# Altium PCB 4G_V4.2_5X4.PcbDoc (part 3 of 5)
Units mm, origin at the board's own origin, x right, y up, seen from the top; angles counter-clockwise.
Board outline 35.5 x 48 mm, 2 copper layers (Top Layer, Bottom Layer); 800 components, 0 nets, 5412 pads, 900 vias.
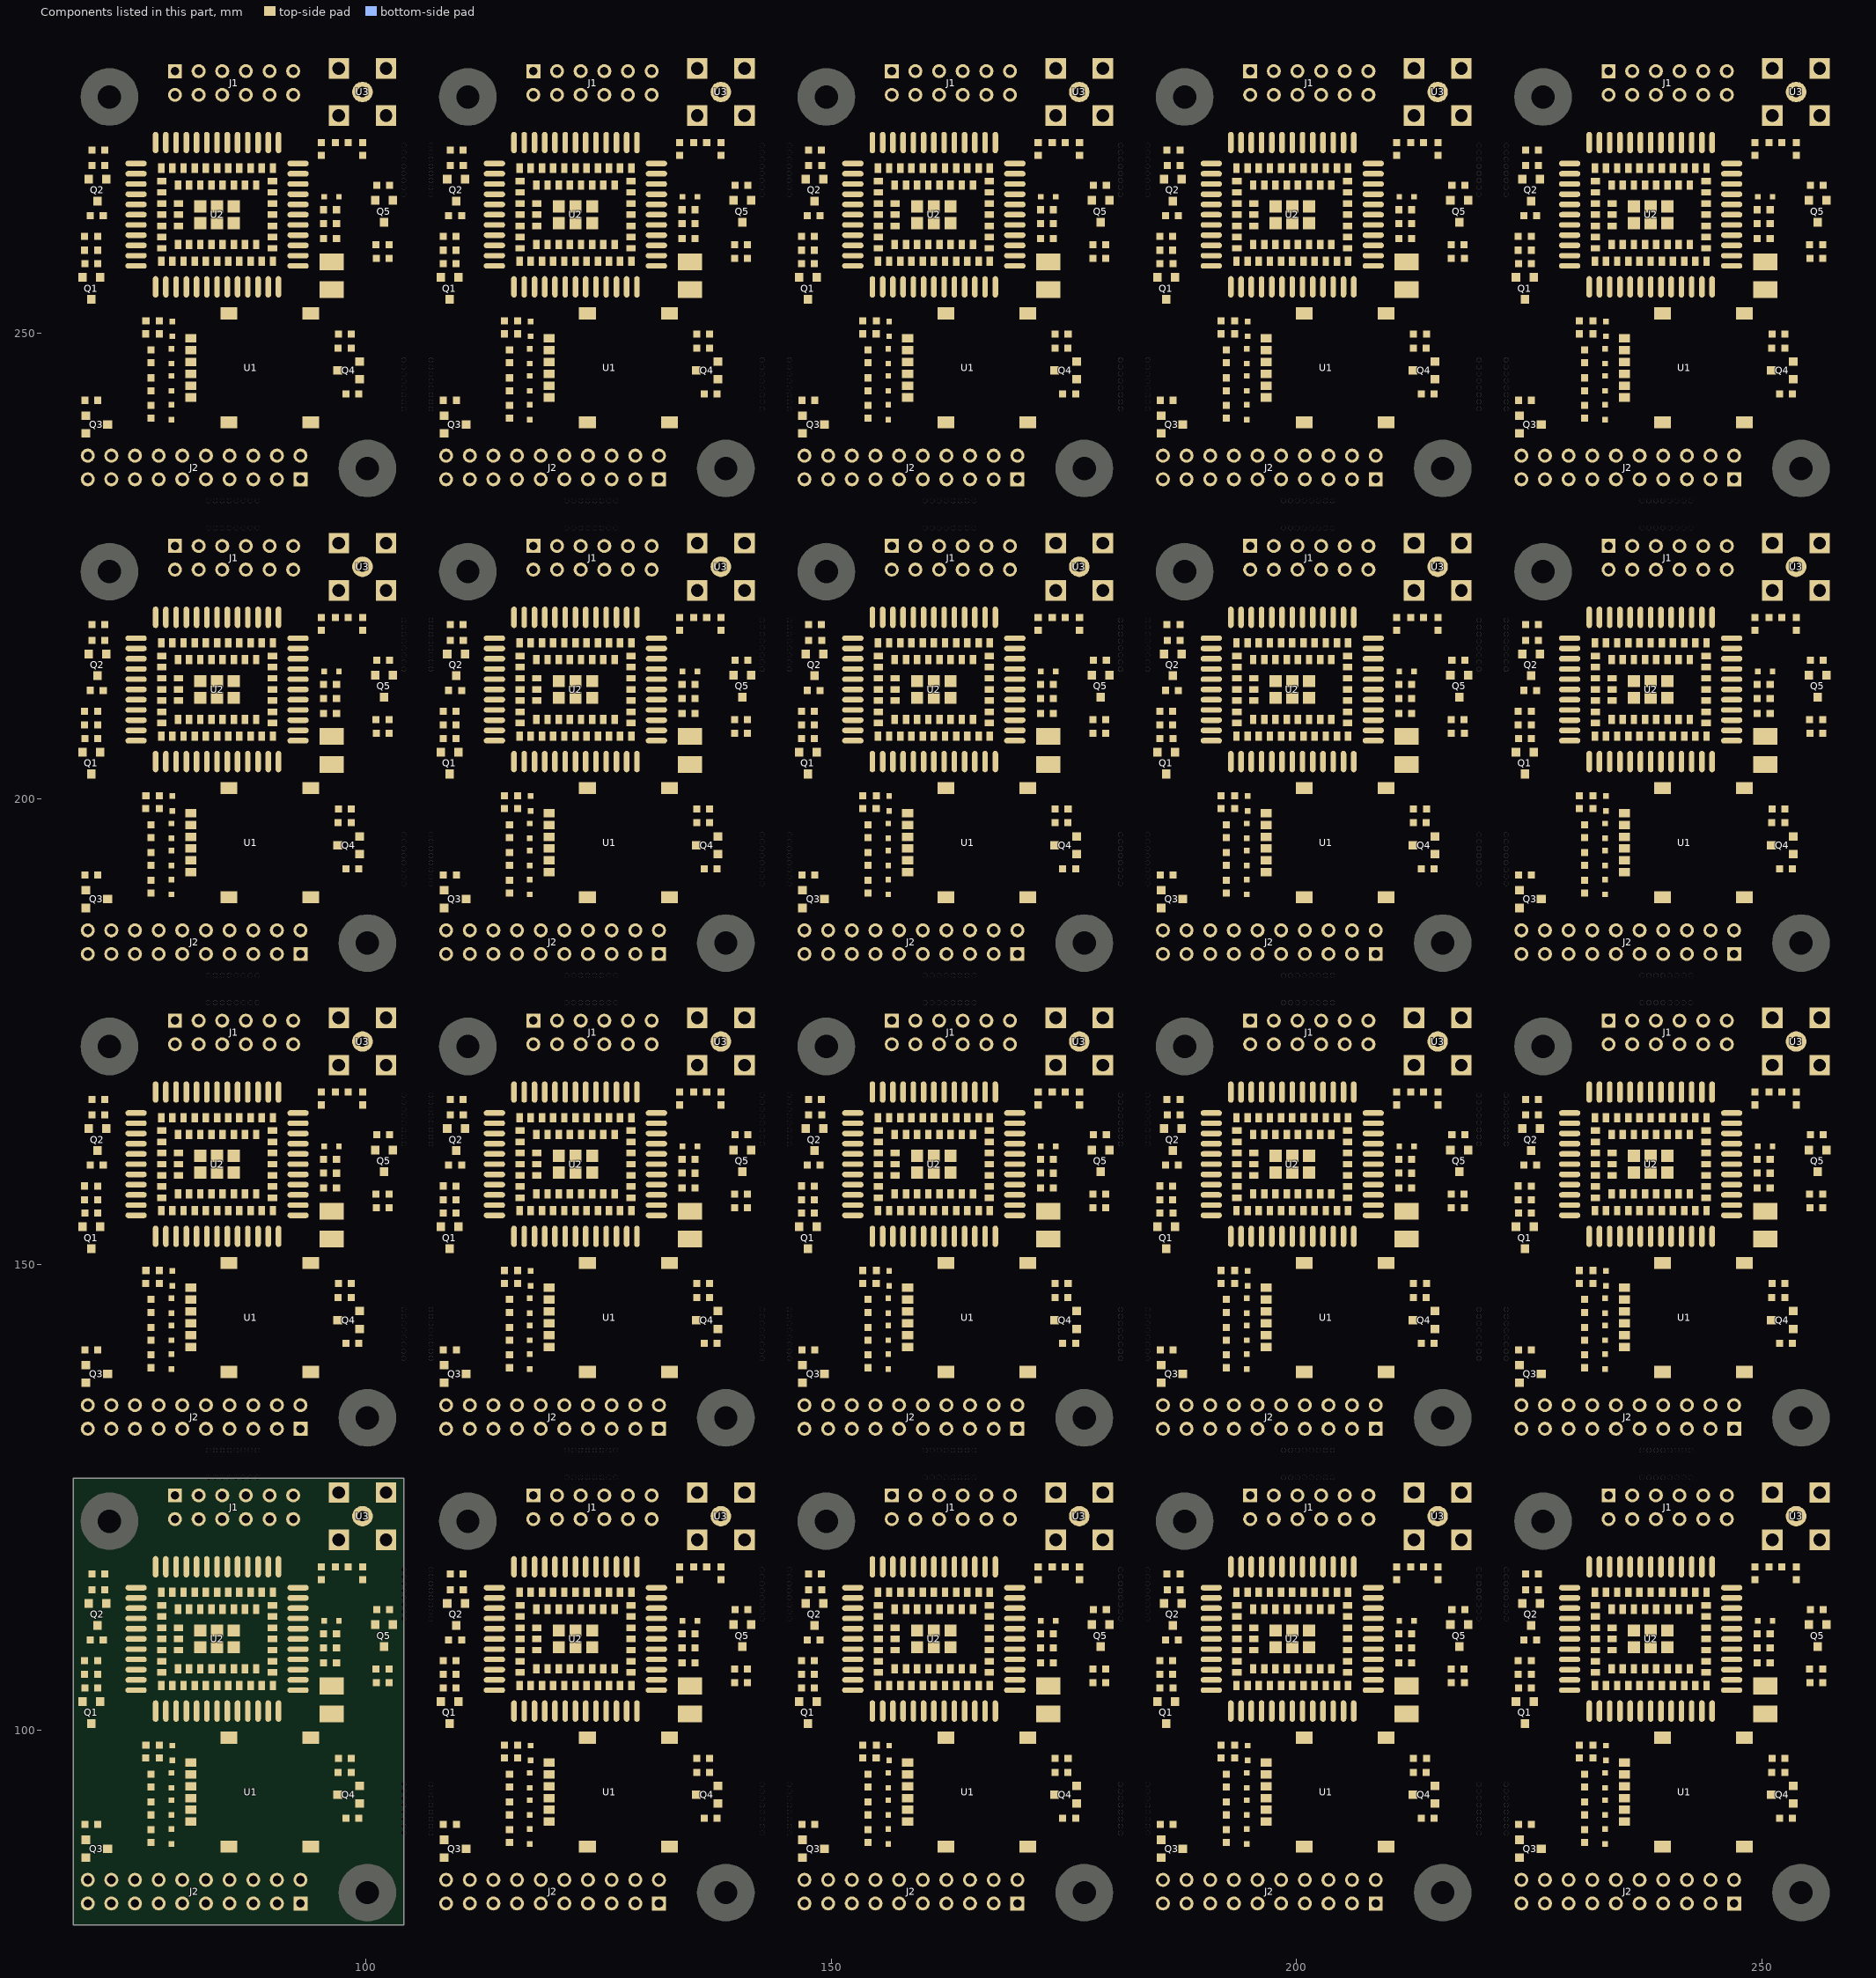
[diagram p3: the components of this part, seen from the top]

## Via types
v1: diameter 0.5, hole 0.3, Top Layer to Bottom Layer, tented both sides, 900 vias

## Nets (pads, with @x,y where several pads share a name; then routed paths per layer and width w, separated by ;. In a path a pad name is that pad's centre, name@x,y a point inside that pad or via, vN(x,y) a via of type N, cw(c..) or ccw(c..) an arc to the next point about the centre after c; other vN are vias at no path point) (continued)
copper on no net: | length 8151
  Top Layer w0.254: 69.55,103.032 69.55,99.725 72.365,96.911 72.365,89.131 77.615,83.88 77.749,83.88 77.749,81.34 ; 69.55,154.032 69.55,150.725 72.365,147.911 72.365,140.131 77.615,134.88 77.749,134.88 77.749,132.34 ; 69.55,205.032 69.55,201.725 72.365,198.911 72.365,191.131 77.615,185.88 77.749,185.88 77.749,183.34 ; 69.55,256.032 69.55,252.725 72.365,249.911 72.365,242.131 77.615,236.88 77.749,236.88 77.749,234.34 ; 69.837,89.826 69.837,88.266 69.92,88.183 ; 69.837,140.826 69.837,139.266 69.92,139.183 ; 69.837,191.826 69.837,190.266 69.92,190.183 ; 69.837,242.826 69.837,241.266 69.92,241.183 ; 70.246,113.58 70.246,109.824 70.409,109.661 v1(70.409,108.696) ; 70.246,164.58 70.246,160.824 70.409,160.661 v1(70.409,159.696) ; 70.246,215.58 70.246,211.824 70.409,211.661 v1(70.409,210.696) ; 70.246,266.58 70.246,262.824 70.409,262.661 v1(70.409,261.696) ; 70.5,100.682 71.564,100.682 72.365,101.483 72.365,106.241 71.186,107.42 72.429,108.663 75.323,108.663 ; 70.5,151.682 71.564,151.682 72.365,152.483 72.365,157.241 71.186,158.42 72.429,159.663 75.323,159.663 ; 70.5,202.682 71.564,202.682 72.365,203.483 72.365,208.241 71.186,209.42 72.429,210.663 75.323,210.663 ; 70.5,253.682 71.564,253.682 72.365,254.483 72.365,259.241 71.186,260.42 72.429,261.663 75.323,261.663 ; 71.186,105.946 71.186,103.296 71.45,103.032 ; 71.186,156.946 71.186,154.296 71.45,154.032 ; 71.186,207.946 71.186,205.296 71.45,205.032 ; 71.186,258.946 71.186,256.296 71.45,256.032 ; 71.196,111.23 72.905,111.23 74.371,109.763 75.323,109.763 ; 71.196,162.23 72.905,162.23 74.371,160.763 75.323,160.763 ; 71.196,213.23 72.905,213.23 74.371,211.763 75.323,211.763 ; 71.196,264.23 72.905,264.23 74.371,262.763 75.323,262.763 ; 71.222,89.824 71.222,85.328 72.669,83.88 72.669,81.34 ; 71.222,140.824 71.222,136.328 72.669,134.88 72.669,132.34 ; 71.222,191.824 71.222,187.328 72.669,185.88 72.669,183.34 ; 71.222,242.824 71.222,238.328 72.669,236.88 72.669,234.34 ; 71.958,116.723 71.958,113.768 72.146,113.58 ; 71.958,167.723 71.958,164.768 72.146,164.58 ; 71.958,218.723 71.958,215.768 72.146,215.58 ; 71.958,269.723 71.958,266.768 72.146,266.58 ; 72.27,87.233 73.311,86.192 v1(74.016,86.192) ; 72.27,138.233 73.311,137.192 v1(74.016,137.192) ; 72.27,189.233 73.311,188.192 v1(74.016,188.192) ; 72.27,240.233 73.311,239.192 v1(74.016,239.192) ; v1(72.873,107.426) 72.873,89.341 76.886,85.328 81.382,85.328 82.829,83.88 82.829,81.34 ; v1(72.873,158.426) 72.873,140.341 76.886,136.328 81.382,136.328 82.829,134.88 82.829,132.34 ; v1(72.873,209.426) 72.873,191.341 76.886,187.328 81.382,187.328 82.829,185.88 82.829,183.34 ; v1(72.873,260.426) 72.873,242.341 76.886,238.328 81.382,238.328 82.829,236.88 82.829,234.34 ; v1(74.625,95.26) 74.625,99.356 75.685,100.416 77.318,100.416 77.423,100.521 77.423,102.013 ; v1(74.625,146.26) 74.625,150.356 75.685,151.416 77.318,151.416 77.423,151.521 77.423,153.013 ; v1(74.625,197.26) 74.625,201.356 75.685,202.416 77.318,202.416 77.423,202.521 77.423,204.013 ; v1(74.625,248.26) 74.625,252.356 75.685,253.416 77.318,253.416 77.423,253.521 77.423,255.013 ; 75.323,107.563 73.949,107.563 73.403,107.016 73.403,89.53 76.106,86.827 v1(81.077,86.827) ; 75.323,158.563 73.949,158.563 73.403,158.016 73.403,140.53 76.106,137.827 v1(81.077,137.827) ; 75.323,209.563 73.949,209.563 73.403,209.016 73.403,191.53 76.106,188.827 v1(81.077,188.827) ; 75.323,260.563 73.949,260.563 73.403,260.016 73.403,242.53 76.106,239.827 v1(81.077,239.827) ; v1(75.921,95.26) 76.914,95.26 ; v1(75.921,146.26) 76.914,146.26 ; v1(75.921,197.26) 76.914,197.26 ; v1(75.921,248.26) 76.914,248.26 ; 76.378,96.961 77.826,96.961 78.084,96.703 79.223,96.703 80.982,96.703 81.204,96.48 81.204,98.51 79.623,100.091 79.623,102.013 ; 76.378,147.961 77.826,147.961 78.084,147.703 79.223,147.703 80.982,147.703 81.204,147.48 81.204,149.51 79.623,151.091 79.623,153.013 ; 76.378,198.961 77.826,198.961 78.084,198.703 79.223,198.703 80.982,198.703 81.204,198.48 81.204,200.51 79.623,202.091 79.623,204.013 ; 76.378,249.961 77.826,249.961 78.084,249.703 79.223,249.703 80.982,249.703 81.204,249.48 81.204,251.51 79.623,253.091 79.623,255.013 ; 76.938,93.85 79.037,93.85 79.121,93.766 ; 76.938,144.85 79.037,144.85 79.121,144.766 ; 76.938,195.85 79.037,195.85 79.121,195.766 ; 76.938,246.85 79.037,246.85 79.121,246.766 ; 76.94,95.366 76.84,95.366 76.84,95.334 76.914,95.26 ; 76.94,146.366 76.84,146.366 76.84,146.334 76.914,146.26 ; 76.94,197.366 76.84,197.366 76.84,197.334 76.914,197.26 ; 76.94,248.366 76.84,248.366 76.84,248.334 76.914,248.26 ; v1(77.191,86.192) 81.61,86.192 82.702,87.284 82.702,99.247 84.023,100.568 84.023,102.013 ; v1(77.191,137.192) 81.61,137.192 82.702,138.284 82.702,150.247 84.023,151.568 84.023,153.013 ; v1(77.191,188.192) 81.61,188.192 82.702,189.284 82.702,201.247 84.023,202.568 84.023,204.013 ; v1(77.191,239.192) 81.61,239.192 82.702,240.284 82.702,252.247 84.023,253.568 84.023,255.013 ; 78.523,102.013 78.523,100.402 78.029,99.908 75.895,99.908 75.286,99.298 75.286,95.125 75.26,95.1 75.26,92.821 75.819,92.262 76.835,92.262 77.018,92.445 79.121,92.445 80.979,92.445 81.204,92.67 ; 78.523,153.013 78.523,151.402 78.029,150.908 75.895,150.908 75.286,150.298 75.286,146.125 75.26,146.1 75.26,143.821 75.819,143.262 76.835,143.262 77.018,143.445 79.121,143.445 80.979,143.445 81.204,143.67 ; 78.523,204.013 78.523,202.402 78.029,201.908 75.895,201.908 75.286,201.298 75.286,197.125 75.26,197.1 75.26,194.821 75.819,194.262 76.835,194.262 77.018,194.445 79.121,194.445 80.979,194.445 81.204,194.67 ; 78.523,255.013 78.523,253.402 78.029,252.908 75.895,252.908 75.286,252.298 75.286,248.125 75.26,248.1 75.26,245.821 75.819,245.262 76.835,245.262 77.018,245.445 79.121,245.445 80.979,245.445 81.204,245.67 ; 79.623,117.513 79.623,119.054 80.035,119.466 v1(88.392,119.466) ; 79.623,168.513 79.623,170.054 80.035,170.466 v1(88.392,170.466) ; 79.623,219.513 79.623,221.054 80.035,221.466 v1(88.392,221.466) ; 79.623,270.513 79.623,272.054 80.035,272.466 v1(88.392,272.466) ; 81.204,95.21 81.049,95.366 79.121,95.366 77.072,95.366 76.94,95.234 76.914,95.26 ; 81.204,146.21 81.049,146.366 79.121,146.366 77.072,146.366 76.94,146.234 76.914,146.26 ; 81.204,197.21 81.049,197.366 79.121,197.366 77.072,197.366 76.94,197.234 76.914,197.26 ; 81.204,248.21 81.049,248.366 79.121,248.366 77.072,248.366 76.94,248.234 76.914,248.26 ; v1(82.728,86.166) 95.428,86.166 97.866,88.605 97.866,90.51 ; v1(82.728,137.166) 95.428,137.166 97.866,139.605 97.866,141.51 ; v1(82.728,188.166) 95.428,188.166 97.866,190.605 97.866,192.51 ; v1(82.728,239.166) 95.428,239.166 97.866,241.605 97.866,243.51 ; v1(94.513,114.843) 94.513,113.751 95.352,112.913 101.168,112.913 ; v1(94.513,165.843) 94.513,164.751 95.352,163.913 101.168,163.913 ; v1(94.513,216.843) 94.513,215.751 95.352,214.913 101.168,214.913 ; v1(94.513,267.843) 94.513,266.751 95.352,265.913 101.168,265.913 ; 96.996,93.024 96.996,95.394 97.041,95.439 ; 96.996,144.024 96.996,146.394 97.041,146.439 ; 96.996,195.024 96.996,197.394 97.041,197.439 ; 96.996,246.024 96.996,248.394 97.041,248.439 ; 99.251,90.508 99.346,90.604 99.346,92.074 ; 99.251,141.508 99.346,141.604 99.346,143.074 ; 99.251,192.508 99.346,192.604 99.346,194.074 ; 99.251,243.508 99.346,243.604 99.346,245.074 ; 108.05,103.032 108.05,99.725 110.865,96.911 110.865,89.131 116.115,83.88 116.249,83.88 116.249,81.34 ; 108.05,154.032 108.05,150.725 110.865,147.911 110.865,140.131 116.115,134.88 116.249,134.88 116.249,132.34 ; 108.05,205.032 108.05,201.725 110.865,198.911 110.865,191.131 116.115,185.88 116.249,185.88 116.249,183.34 ; 108.05,256.032 108.05,252.725 110.865,249.911 110.865,242.131 116.115,236.88 116.249,236.88 116.249,234.34 ; 108.337,89.826 108.337,88.266 108.42,88.183 ; 108.337,140.826 108.337,139.266 108.42,139.183 ; 108.337,191.826 108.337,190.266 108.42,190.183 ; 108.337,242.826 108.337,241.266 108.42,241.183 ; 108.746,113.58 108.746,109.824 108.909,109.661 v1(108.909,108.696) ; 108.746,164.58 108.746,160.824 108.909,160.661 v1(108.909,159.696) ; 108.746,215.58 108.746,211.824 108.909,211.661 v1(108.909,210.696) ; 108.746,266.58 108.746,262.824 108.909,262.661 v1(108.909,261.696) ; 109,100.682 110.064,100.682 110.865,101.483 110.865,106.241 109.686,107.42 110.929,108.663 113.823,108.663 ; 109,151.682 110.064,151.682 110.865,152.483 110.865,157.241 109.686,158.42 110.929,159.663 113.823,159.663 ; 109,202.682 110.064,202.682 110.865,203.483 110.865,208.241 109.686,209.42 110.929,210.663 113.823,210.663 ; 109,253.682 110.064,253.682 110.865,254.483 110.865,259.241 109.686,260.42 110.929,261.663 113.823,261.663 ; 109.686,105.946 109.686,103.296 109.95,103.032 ; 109.686,156.946 109.686,154.296 109.95,154.032 ; 109.686,207.946 109.686,205.296 109.95,205.032 ; 109.686,258.946 109.686,256.296 109.95,256.032 ; 109.696,111.23 111.405,111.23 112.871,109.763 113.823,109.763 ; 109.696,162.23 111.405,162.23 112.871,160.763 113.823,160.763 ; 109.696,213.23 111.405,213.23 112.871,211.763 113.823,211.763 ; 109.696,264.23 111.405,264.23 112.871,262.763 113.823,262.763 ; 109.722,89.824 109.722,85.328 111.169,83.88 111.169,81.34 ; 109.722,140.824 109.722,136.328 111.169,134.88 111.169,132.34 ; 109.722,191.824 109.722,187.328 111.169,185.88 111.169,183.34 ; 109.722,242.824 109.722,238.328 111.169,236.88 111.169,234.34 ; 110.458,116.723 110.458,113.768 110.646,113.58 ; 110.458,167.723 110.458,164.768 110.646,164.58 ; 110.458,218.723 110.458,215.768 110.646,215.58 ; 110.458,269.723 110.458,266.768 110.646,266.58 ; 110.77,87.233 111.811,86.192 v1(112.516,86.192) ; 110.77,138.233 111.811,137.192 v1(112.516,137.192) ; 110.77,189.233 111.811,188.192 v1(112.516,188.192) ; 110.77,240.233 111.811,239.192 v1(112.516,239.192) ; v1(111.373,107.426) 111.373,89.341 115.386,85.328 119.882,85.328 121.329,83.88 121.329,81.34 ; v1(111.373,158.426) 111.373,140.341 115.386,136.328 119.882,136.328 121.329,134.88 121.329,132.34 ; v1(111.373,209.426) 111.373,191.341 115.386,187.328 119.882,187.328 121.329,185.88 121.329,183.34 ; v1(111.373,260.426) 111.373,242.341 115.386,238.328 119.882,238.328 121.329,236.88 121.329,234.34 ; v1(113.125,95.26) 113.125,99.356 114.185,100.416 115.818,100.416 115.923,100.521 115.923,102.013 ; v1(113.125,146.26) 113.125,150.356 114.185,151.416 115.818,151.416 115.923,151.521 115.923,153.013 ; v1(113.125,197.26) 113.125,201.356 114.185,202.416 115.818,202.416 115.923,202.521 115.923,204.013 ; v1(113.125,248.26) 113.125,252.356 114.185,253.416 115.818,253.416 115.923,253.521 115.923,255.013 ; 113.823,107.563 112.449,107.563 111.903,107.016 111.903,89.53 114.606,86.827 v1(119.577,86.827) ; 113.823,158.563 112.449,158.563 111.903,158.016 111.903,140.53 114.606,137.827 v1(119.577,137.827) ; 113.823,209.563 112.449,209.563 111.903,209.016 111.903,191.53 114.606,188.827 v1(119.577,188.827) ; 113.823,260.563 112.449,260.563 111.903,260.016 111.903,242.53 114.606,239.827 v1(119.577,239.827) ; v1(114.421,95.26) 115.414,95.26 ; v1(114.421,146.26) 115.414,146.26 ; v1(114.421,197.26) 115.414,197.26 ; v1(114.421,248.26) 115.414,248.26 ; 114.878,96.961 116.326,96.961 116.584,96.703 117.723,96.703 119.482,96.703 119.704,96.48 119.704,98.51 118.123,100.091 118.123,102.013 ; 114.878,147.961 116.326,147.961 116.584,147.703 117.723,147.703 119.482,147.703 119.704,147.48 119.704,149.51 118.123,151.091 118.123,153.013 ; 114.878,198.961 116.326,198.961 116.584,198.703 117.723,198.703 119.482,198.703 119.704,198.48 119.704,200.51 118.123,202.091 118.123,204.013 ; 114.878,249.961 116.326,249.961 116.584,249.703 117.723,249.703 119.482,249.703 119.704,249.48 119.704,251.51 118.123,253.091 118.123,255.013 ; 115.438,93.85 117.537,93.85 117.621,93.766 ; 115.438,144.85 117.537,144.85 117.621,144.766 ; 115.438,195.85 117.537,195.85 117.621,195.766 ; 115.438,246.85 117.537,246.85 117.621,246.766 ; 115.44,95.366 115.34,95.366 115.34,95.334 115.414,95.26 ; 115.44,146.366 115.34,146.366 115.34,146.334 115.414,146.26 ; 115.44,197.366 115.34,197.366 115.34,197.334 115.414,197.26 ; 115.44,248.366 115.34,248.366 115.34,248.334 115.414,248.26 ; v1(115.691,86.192) 120.11,86.192 121.202,87.284 121.202,99.247 122.523,100.568 122.523,102.013 ; v1(115.691,137.192) 120.11,137.192 121.202,138.284 121.202,150.247 122.523,151.568 122.523,153.013 ; v1(115.691,188.192) 120.11,188.192 121.202,189.284 121.202,201.247 122.523,202.568 122.523,204.013 ; v1(115.691,239.192) 120.11,239.192 121.202,240.284 121.202,252.247 122.523,253.568 122.523,255.013 ; 117.023,102.013 117.023,100.402 116.529,99.908 114.395,99.908 113.786,99.298 113.786,95.125 113.76,95.1 113.76,92.821 114.319,92.262 115.335,92.262 115.518,92.445 117.621,92.445 119.479,92.445 119.704,92.67 ; 117.023,153.013 117.023,151.402 116.529,150.908 114.395,150.908 113.786,150.298 113.786,146.125 113.76,146.1 113.76,143.821 114.319,143.262 115.335,143.262 115.518,143.445 117.621,143.445 119.479,143.445 119.704,143.67 ; 117.023,204.013 117.023,202.402 116.529,201.908 114.395,201.908 113.786,201.298 113.786,197.125 113.76,197.1 113.76,194.821 114.319,194.262 115.335,194.262 115.518,194.445 117.621,194.445 119.479,194.445 119.704,194.67 ; 117.023,255.013 117.023,253.402 116.529,252.908 114.395,252.908 113.786,252.298 113.786,248.125 113.76,248.1 113.76,245.821 114.319,245.262 115.335,245.262 115.518,245.445 117.621,245.445 119.479,245.445 119.704,245.67 ; 118.123,117.513 118.123,119.054 118.535,119.466 v1(126.892,119.466) ; 118.123,168.513 118.123,170.054 118.535,170.466 v1(126.892,170.466) ; 118.123,219.513 118.123,221.054 118.535,221.466 v1(126.892,221.466) ; 118.123,270.513 118.123,272.054 118.535,272.466 v1(126.892,272.466) ; 119.704,95.21 119.549,95.366 117.621,95.366 115.572,95.366 115.44,95.234 115.414,95.26 ; 119.704,146.21 119.549,146.366 117.621,146.366 115.572,146.366 115.44,146.234 115.414,146.26 ; 119.704,197.21 119.549,197.366 117.621,197.366 115.572,197.366 115.44,197.234 115.414,197.26 ; 119.704,248.21 119.549,248.366 117.621,248.366 115.572,248.366 115.44,248.234 115.414,248.26 ; v1(121.228,86.166) 133.928,86.166 136.366,88.605 136.366,90.51 ; v1(121.228,137.166) 133.928,137.166 136.366,139.605 136.366,141.51 ; v1(121.228,188.166) 133.928,188.166 136.366,190.605 136.366,192.51 ; v1(121.228,239.166) 133.928,239.166 136.366,241.605 136.366,243.51 ; v1(133.013,114.843) 133.013,113.751 133.852,112.913 139.668,112.913 ; v1(133.013,165.843) 133.013,164.751 133.852,163.913 139.668,163.913 ; v1(133.013,216.843) 133.013,215.751 133.852,214.913 139.668,214.913 ; v1(133.013,267.843) 133.013,266.751 133.852,265.913 139.668,265.913 ; 135.496,93.024 135.496,95.394 135.541,95.439 ; 135.496,144.024 135.496,146.394 135.541,146.439 ; 135.496,195.024 135.496,197.394 135.541,197.439 ; 135.496,246.024 135.496,248.394 135.541,248.439 ; 137.75,90.508 137.846,90.604 137.846,92.074 ; 137.75,141.508 137.846,141.604 137.846,143.074 ; 137.75,192.508 137.846,192.604 137.846,194.074 ; 137.75,243.508 137.846,243.604 137.846,245.074 ; 146.55,103.032 146.55,99.725 149.365,96.911 149.365,89.131 154.615,83.88 154.749,83.88 154.749,81.34 ; 146.55,154.032 146.55,150.725 149.365,147.911 149.365,140.131 154.615,134.88 154.749,134.88 154.749,132.34 ; 146.55,205.032 146.55,201.725 149.365,198.911 149.365,191.131 154.615,185.88 154.749,185.88 154.749,183.34 ; 146.55,256.032 146.55,252.725 149.365,249.911 149.365,242.131 154.615,236.88 154.749,236.88 154.749,234.34 ; 146.837,89.826 146.837,88.266 146.92,88.183 ; 146.837,140.826 146.837,139.266 146.92,139.183 ; 146.837,191.826 146.837,190.266 146.92,190.183 ; 146.837,242.826 146.837,241.266 146.92,241.183 ; 147.246,113.58 147.246,109.824 147.409,109.661 v1(147.409,108.696) ; 147.246,164.58 147.246,160.824 147.409,160.661 v1(147.409,159.696) ; 147.246,215.58 147.246,211.824 147.409,211.661 v1(147.409,210.696) ; 147.246,266.58 147.246,262.824 147.409,262.661 v1(147.409,261.696) ; 147.5,100.682 148.564,100.682 149.365,101.483 149.365,106.241 148.186,107.42 149.429,108.663 152.323,108.663 ; 147.5,151.682 148.564,151.682 149.365,152.483 149.365,157.241 148.186,158.42 149.429,159.663 152.323,159.663 ; 147.5,202.682 148.564,202.682 149.365,203.483 149.365,208.241 148.186,209.42 149.429,210.663 152.323,210.663 ; 147.5,253.682 148.564,253.682 149.365,254.483 149.365,259.241 148.186,260.42 149.429,261.663 152.323,261.663 ; 148.186,105.946 148.186,103.296 148.45,103.032 ; 148.186,156.946 148.186,154.296 148.45,154.032 ; 148.186,207.946 148.186,205.296 148.45,205.032 ; 148.186,258.946 148.186,256.296 148.45,256.032 ; 148.196,111.23 149.905,111.23 151.371,109.763 152.323,109.763 ; 148.196,162.23 149.905,162.23 151.371,160.763 152.323,160.763 ; 148.196,213.23 149.905,213.23 151.371,211.763 152.323,211.763 ; 148.196,264.23 149.905,264.23 151.371,262.763 152.323,262.763 ; 148.222,89.824 148.222,85.328 149.669,83.88 149.669,81.34 ; 148.222,140.824 148.222,136.328 149.669,134.88 149.669,132.34 ; 148.222,191.824 148.222,187.328 149.669,185.88 149.669,183.34 ; 148.222,242.824 148.222,238.328 149.669,236.88 149.669,234.34 ; 148.958,116.723 148.958,113.768 149.146,113.58 ; 148.958,167.723 148.958,164.768 149.146,164.58 ; 148.958,218.723 148.958,215.768 149.146,215.58 ; 148.958,269.723 148.958,266.768 149.146,266.58 ; 149.27,87.233 150.311,86.192 v1(151.016,86.192) ; 149.27,138.233 150.311,137.192 v1(151.016,137.192) ; 149.27,189.233 150.311,188.192 v1(151.016,188.192) ; 149.27,240.233 150.311,239.192 v1(151.016,239.192) ; v1(149.873,107.426) 149.873,89.341 153.886,85.328 158.382,85.328 159.829,83.88 159.829,81.34 ; v1(149.873,158.426) 149.873,140.341 153.886,136.328 158.382,136.328 159.829,134.88 159.829,132.34 ; v1(149.873,209.426) 149.873,191.341 153.886,187.328 158.382,187.328 159.829,185.88 159.829,183.34 ; v1(149.873,260.426) 149.873,242.341 153.886,238.328 158.382,238.328 159.829,236.88 159.829,234.34 ; v1(151.625,95.26) 151.625,99.356 152.685,100.416 154.318,100.416 154.423,100.521 154.423,102.013 ; v1(151.625,146.26) 151.625,150.356 152.685,151.416 154.318,151.416 154.423,151.521 154.423,153.013 ; v1(151.625,197.26) 151.625,201.356 152.685,202.416 154.318,202.416 154.423,202.521 154.423,204.013 ; v1(151.625,248.26) 151.625,252.356 152.685,253.416 154.318,253.416 154.423,253.521 154.423,255.013 ; 152.323,107.563 150.949,107.563 150.403,107.016 150.403,89.53 153.106,86.827 v1(158.077,86.827) ; 152.323,158.563 150.949,158.563 150.403,158.016 150.403,140.53 153.106,137.827 v1(158.077,137.827) ; 152.323,209.563 150.949,209.563 150.403,209.016 150.403,191.53 153.106,188.827 v1(158.077,188.827) ; 152.323,260.563 150.949,260.563 150.403,260.016 150.403,242.53 153.106,239.827 v1(158.077,239.827) ; v1(152.921,95.26) 153.914,95.26 ; v1(152.921,146.26) 153.914,146.26 ; v1(152.921,197.26) 153.914,197.26 ; v1(152.921,248.26) 153.914,248.26 ; 153.378,96.961 154.826,96.961 155.084,96.703 156.223,96.703 157.982,96.703 158.204,96.48 158.204,98.51 156.623,100.091 156.623,102.013 ; 153.378,147.961 154.826,147.961 155.084,147.703 156.223,147.703 157.982,147.703 158.204,147.48 158.204,149.51 156.623,151.091 156.623,153.013 ; 153.378,198.961 154.826,198.961 155.084,198.703 156.223,198.703 157.982,198.703 158.204,198.48 158.204,200.51 156.623,202.091 156.623,204.013 ; 153.378,249.961 154.826,249.961 155.084,249.703 156.223,249.703 157.982,249.703 158.204,249.48 158.204,251.51 156.623,253.091 156.623,255.013 ; 153.938,93.85 156.037,93.85 156.121,93.766 ; 153.938,144.85 156.037,144.85 156.121,144.766 ; 153.938,195.85 156.037,195.85 156.121,195.766 ; 153.938,246.85 156.037,246.85 156.121,246.766 ; 153.94,95.366 153.84,95.366 153.84,95.334 153.914,95.26 ; 153.94,146.366 153.84,146.366 153.84,146.334 153.914,146.26 ; 153.94,197.366 153.84,197.366 153.84,197.334 153.914,197.26 ; 153.94,248.366 153.84,248.366 153.84,248.334 153.914,248.26 ; v1(154.191,86.192) 158.61,86.192 159.702,87.284 159.702,99.247 161.023,100.568 161.023,102.013 ; v1(154.191,137.192) 158.61,137.192 159.702,138.284 159.702,150.247 161.023,151.568 161.023,153.013 ; v1(154.191,188.192) 158.61,188.192 159.702,189.284 159.702,201.247 161.023,202.568 161.023,204.013 ; v1(154.191,239.192) 158.61,239.192 159.702,240.284 159.702,252.247 161.023,253.568 161.023,255.013 ; 155.523,102.013 155.523,100.402 155.029,99.908 152.895,99.908 152.286,99.298 152.286,95.125 152.26,95.1 152.26,92.821 152.819,92.262 153.835,92.262 154.018,92.445 156.121,92.445 157.979,92.445 158.204,92.67 ; 155.523,153.013 155.523,151.402 155.029,150.908 152.895,150.908 152.286,150.298 152.286,146.125 152.26,146.1 152.26,143.821 152.819,143.262 153.835,143.262 154.018,143.445 156.121,143.445 157.979,143.445 158.204,143.67 ; 155.523,204.013 155.523,202.402 155.029,201.908 152.895,201.908 152.286,201.298 152.286,197.125 152.26,197.1 152.26,194.821 152.819,194.262 153.835,194.262 154.018,194.445 156.121,194.445 157.979,194.445 158.204,194.67 ; 155.523,255.013 155.523,253.402 155.029,252.908 152.895,252.908 152.286,252.298 152.286,248.125 152.26,248.1 152.26,245.821 152.819,245.262 153.835,245.262 154.018,245.445 156.121,245.445 157.979,245.445 158.204,245.67 ; 156.623,117.513 156.623,119.054 157.035,119.466 v1(165.392,119.466) ; 156.623,168.513 156.623,170.054 157.035,170.466 v1(165.392,170.466) ; 156.623,219.513 156.623,221.054 157.035,221.466 v1(165.392,221.466) ; 156.623,270.513 156.623,272.054 157.035,272.466 v1(165.392,272.466) ; 158.204,95.21 158.049,95.366 156.121,95.366 154.072,95.366 153.94,95.234 153.914,95.26 ; 158.204,146.21 158.049,146.366 156.121,146.366 154.072,146.366 153.94,146.234 153.914,146.26 ; 158.204,197.21 158.049,197.366 156.121,197.366 154.072,197.366 153.94,197.234 153.914,197.26 ; 158.204,248.21 158.049,248.366 156.121,248.366 154.072,248.366 153.94,248.234 153.914,248.26 ; v1(159.728,86.166) 172.428,86.166 174.866,88.605 174.866,90.51 ; v1(159.728,137.166) 172.428,137.166 174.866,139.605 174.866,141.51 ; v1(159.728,188.166) 172.428,188.166 174.866,190.605 174.866,192.51 ; v1(159.728,239.166) 172.428,239.166 174.866,241.605 174.866,243.51 ; v1(171.513,114.843) 171.513,113.751 172.352,112.913 178.168,112.913 ; v1(171.513,165.843) 171.513,164.751 172.352,163.913 178.168,163.913 ; v1(171.513,216.843) 171.513,215.751 172.352,214.913 178.168,214.913 ; v1(171.513,267.843) 171.513,266.751 172.352,265.913 178.168,265.913 ; 173.996,93.024 173.996,95.394 174.041,95.439 ; 173.996,144.024 173.996,146.394 174.041,146.439 ; 173.996,195.024 173.996,197.394 174.041,197.439 ; 173.996,246.024 173.996,248.394 174.041,248.439 ; 176.25,90.508 176.346,90.604 176.346,92.074 ; 176.25,141.508 176.346,141.604 176.346,143.074 ; 176.25,192.508 176.346,192.604 176.346,194.074 ; 176.25,243.508 176.346,243.604 176.346,245.074 ; 185.05,103.032 185.05,99.725 187.865,96.911 187.865,89.131 193.115,83.88 193.249,83.88 193.249,81.34 ; 185.05,154.032 185.05,150.725 187.865,147.911 187.865,140.131 193.115,134.88 193.249,134.88 193.249,132.34 ; 185.05,205.032 185.05,201.725 187.865,198.911 187.865,191.131 193.115,185.88 193.249,185.88 193.249,183.34 ; 185.05,256.032 185.05,252.725 187.865,249.911 187.865,242.131 193.115,236.88 193.249,236.88 193.249,234.34 ; 185.337,89.826 185.337,88.266 185.42,88.183 ; 185.337,140.826 185.337,139.266 185.42,139.183 ; 185.337,191.826 185.337,190.266 185.42,190.183 ; 185.337,242.826 185.337,241.266 185.42,241.183 ; 185.746,113.58 185.746,109.824 185.909,109.661 v1(185.909,108.696) ; 185.746,164.58 185.746,160.824 185.909,160.661 v1(185.909,159.696) ; 185.746,215.58 185.746,211.824 185.909,211.661 v1(185.909,210.696) ; 185.746,266.58 185.746,262.824 185.909,262.661 v1(185.909,261.696) ; 186,100.682 187.064,100.682 187.865,101.483 187.865,106.241 186.686,107.42 187.929,108.663 190.823,108.663 ; 186,151.682 187.064,151.682 187.865,152.483 187.865,157.241 186.686,158.42 187.929,159.663 190.823,159.663 ; 186,202.682 187.064,202.682 187.865,203.483 187.865,208.241 186.686,209.42 187.929,210.663 190.823,210.663 ; 186,253.682 187.064,253.682 187.865,254.483 187.865,259.241 186.686,260.42 187.929,261.663 190.823,261.663 ; 186.686,105.946 186.686,103.296 186.95,103.032 ; 186.686,156.946 186.686,154.296 186.95,154.032 ; 186.686,207.946 186.686,205.296 186.95,205.032 ; 186.686,258.946 186.686,256.296 186.95,256.032 ; 186.696,111.23 188.405,111.23 189.871,109.763 190.823,109.763 ; 186.696,162.23 188.405,162.23 189.871,160.763 190.823,160.763 ; 186.696,213.23 188.405,213.23 189.871,211.763 190.823,211.763 ; 186.696,264.23 188.405,264.23 189.871,262.763 190.823,262.763 ; 186.722,89.824 186.722,85.328 188.169,83.88 188.169,81.34 ; 186.722,140.824 186.722,136.328 188.169,134.88 188.169,132.34 ; 186.722,191.824 186.722,187.328 188.169,185.88 188.169,183.34 ; 186.722,242.824 186.722,238.328 188.169,236.88 188.169,234.34 ; 187.458,116.723 187.458,113.768 187.646,113.58 ; 187.458,167.723 187.458,164.768 187.646,164.58 ; 187.458,218.723 187.458,215.768 187.646,215.58 ; 187.458,269.723 187.458,266.768 187.646,266.58 ; 187.77,87.233 188.811,86.192 v1(189.516,86.192) ; 187.77,138.233 188.811,137.192 v1(189.516,137.192) ; 187.77,189.233 188.811,188.192 v1(189.516,188.192) ; 187.77,240.233 188.811,239.192 v1(189.516,239.192) ; v1(188.373,107.426) 188.373,89.341 192.386,85.328 196.882,85.328 198.329,83.88 198.329,81.34 ; v1(188.373,158.426) 188.373,140.341 192.386,136.328 196.882,136.328 198.329,134.88 198.329,132.34 ; v1(188.373,209.426) 188.373,191.341 192.386,187.328 196.882,187.328 198.329,185.88 198.329,183.34 ; v1(188.373,260.426) 188.373,242.341 192.386,238.328 196.882,238.328 198.329,236.88 198.329,234.34 ; v1(190.125,95.26) 190.125,99.356 191.185,100.416 192.818,100.416 192.923,100.521 192.923,102.013 ; v1(190.125,146.26) 190.125,150.356 191.185,151.416 192.818,151.416 192.923,151.521 192.923,153.013 ; v1(190.125,197.26) 190.125,201.356 191.185,202.416 192.818,202.416 192.923,202.521 192.923,204.013 ; v1(190.125,248.26) 190.125,252.356 191.185,253.416 192.818,253.416 192.923,253.521 192.923,255.013 ; 190.823,107.563 189.449,107.563 188.903,107.016 188.903,89.53 191.606,86.827 v1(196.577,86.827) ; 190.823,158.563 189.449,158.563 188.903,158.016 188.903,140.53 191.606,137.827 v1(196.577,137.827) ; 190.823,209.563 189.449,209.563 188.903,209.016 188.903,191.53 191.606,188.827 v1(196.577,188.827) ; 190.823,260.563 189.449,260.563 188.903,260.016 188.903,242.53 191.606,239.827 v1(196.577,239.827) ; v1(191.421,95.26) 192.414,95.26 ; v1(191.421,146.26) 192.414,146.26 ; v1(191.421,197.26) 192.414,197.26 ; v1(191.421,248.26) 192.414,248.26 ; 191.878,96.961 193.326,96.961 193.584,96.703 194.723,96.703 196.482,96.703 196.704,96.48 196.704,98.51 195.123,100.091 195.123,102.013 ; 191.878,147.961 193.326,147.961 193.584,147.703 194.723,147.703 196.482,147.703 196.704,147.48 196.704,149.51 195.123,151.091 195.123,153.013 ; 191.878,198.961 193.326,198.961 193.584,198.703 194.723,198.703 196.482,198.703 196.704,198.48 196.704,200.51 195.123,202.091 195.123,204.013 ; 191.878,249.961 193.326,249.961 193.584,249.703 194.723,249.703 196.482,249.703 196.704,249.48 196.704,251.51 195.123,253.091 195.123,255.013 ; 192.438,93.85 194.537,93.85 194.621,93.766 ; 192.438,144.85 194.537,144.85 194.621,144.766 ; 192.438,195.85 194.537,195.85 194.621,195.766 ; 192.438,246.85 194.537,246.85 194.621,246.766 ; 192.44,95.366 192.34,95.366 192.34,95.334 192.414,95.26 ; 192.44,146.366 192.34,146.366 192.34,146.334 192.414,146.26 ; 192.44,197.366 192.34,197.366 192.34,197.334 192.414,197.26 ; 192.44,248.366 192.34,248.366 192.34,248.334 192.414,248.26 ; v1(192.691,86.192) 197.11,86.192 198.202,87.284 198.202,99.247 199.523,100.568 199.523,102.013 ; v1(192.691,137.192) 197.11,137.192 198.202,138.284 198.202,150.247 199.523,151.568 199.523,153.013 ; v1(192.691,188.192) 197.11,188.192 198.202,189.284 198.202,201.247 199.523,202.568 199.523,204.013 ; v1(192.691,239.192) 197.11,239.192 198.202,240.284 198.202,252.247 199.523,253.568 199.523,255.013 ; 194.023,102.013 194.023,100.402 193.529,99.908 191.395,99.908 190.786,99.298 190.786,95.125 190.76,95.1 190.76,92.821 191.319,92.262 192.335,92.262 192.518,92.445 194.621,92.445 196.479,92.445 196.704,92.67 ; 194.023,153.013 194.023,151.402 193.529,150.908 191.395,150.908 190.786,150.298 190.786,146.125 190.76,146.1 190.76,143.821 191.319,143.262 192.335,143.262 192.518,143.445 194.621,143.445 196.479,143.445 196.704,143.67 ; 194.023,204.013 194.023,202.402 193.529,201.908 191.395,201.908 190.786,201.298 190.786,197.125 190.76,197.1 190.76,194.821 191.319,194.262 192.335,194.262 192.518,194.445 194.621,194.445 196.479,194.445 196.704,194.67 ; 194.023,255.013 194.023,253.402 193.529,252.908 191.395,252.908 190.786,252.298 190.786,248.125 190.76,248.1 190.76,245.821 191.319,245.262 192.335,245.262 192.518,245.445 194.621,245.445 196.479,245.445 196.704,245.67 ; 195.123,117.513 195.123,119.054 195.535,119.466 v1(203.892,119.466) ; 195.123,168.513 195.123,170.054 195.535,170.466 v1(203.892,170.466) ; 195.123,219.513 195.123,221.054 195.535,221.466 v1(203.892,221.466) ; 195.123,270.513 195.123,272.054 195.535,272.466 v1(203.892,272.466) ; 196.704,95.21 196.549,95.366 194.621,95.366 192.572,95.366 192.44,95.234 192.414,95.26 ; 196.704,146.21 196.549,146.366 194.621,146.366 192.572,146.366 192.44,146.234 192.414,146.26 ; 196.704,197.21 196.549,197.366 194.621,197.366 192.572,197.366 192.44,197.234 192.414,197.26 ; 196.704,248.21 196.549,248.366 194.621,248.366 192.572,248.366 192.44,248.234 192.414,248.26 ; v1(198.228,86.166) 210.928,86.166 213.366,88.605 213.366,90.51 ; v1(198.228,137.166) 210.928,137.166 213.366,139.605 213.366,141.51 ; v1(198.228,188.166) 210.928,188.166 213.366,190.605 213.366,192.51 ; v1(198.228,239.166) 210.928,239.166 213.366,241.605 213.366,243.51 ; v1(210.013,114.843) 210.013,113.751 210.852,112.913 216.668,112.913 ; v1(210.013,165.843) 210.013,164.751 210.852,163.913 216.668,163.913 ; v1(210.013,216.843) 210.013,215.751 210.852,214.913 216.668,214.913 ; v1(210.013,267.843) 210.013,266.751 210.852,265.913 216.668,265.913 ; 212.496,93.024 212.496,95.394 212.541,95.439 ; 212.496,144.024 212.496,146.394 212.541,146.439 ; 212.496,195.024 212.496,197.394 212.541,197.439 ; 212.496,246.024 212.496,248.394 212.541,248.439 ; 214.75,90.508 214.846,90.604 214.846,92.074 ; 214.75,141.508 214.846,141.604 214.846,143.074 ; 214.75,192.508 214.846,192.604 214.846,194.074 ; 214.75,243.508 214.846,243.604 214.846,245.074 ; 223.55,103.032 223.55,99.725 226.365,96.911 226.365,89.131 231.615,83.88 231.749,83.88 231.749,81.34 ; 223.55,154.032 223.55,150.725 226.365,147.911 226.365,140.131 231.615,134.88 231.749,134.88 231.749,132.34 ; 223.55,205.032 223.55,201.725 226.365,198.911 226.365,191.131 231.615,185.88 231.749,185.88 231.749,183.34 ; 223.55,256.032 223.55,252.725 226.365,249.911 226.365,242.131 231.615,236.88 231.749,236.88 231.749,234.34 ; 223.837,89.826 223.837,88.266 223.92,88.183 ; 223.837,140.826 223.837,139.266 223.92,139.183 ; 223.837,191.826 223.837,190.266 223.92,190.183 ; 223.837,242.826 223.837,241.266 223.92,241.183 ; 224.246,113.58 224.246,109.824 224.409,109.661 v1(224.409,108.696) ; 224.246,164.58 224.246,160.824 224.409,160.661 v1(224.409,159.696) ; 224.246,215.58 224.246,211.824 224.409,211.661 v1(224.409,210.696) ; 224.246,266.58 224.246,262.824 224.409,262.661 v1(224.409,261.696) ; 224.5,100.682 225.564,100.682 226.365,101.483 226.365,106.241 225.186,107.42 226.429,108.663 229.323,108.663 ; 224.5,151.682 225.564,151.682 226.365,152.483 226.365,157.241 225.186,158.42 226.429,159.663 229.323,159.663 ; 224.5,202.682 225.564,202.682 226.365,203.483 226.365,208.241 225.186,209.42 226.429,210.663 229.323,210.663 ; 224.5,253.682 225.564,253.682 226.365,254.483 226.365,259.241 225.186,260.42 226.429,261.663 229.323,261.663 ; 225.186,105.946 225.186,103.296 225.45,103.032 ; 225.186,156.946 225.186,154.296 225.45,154.032 ; 225.186,207.946 225.186,205.296 225.45,205.032 ; 225.186,258.946 225.186,256.296 225.45,256.032 ; 225.196,111.23 226.905,111.23 228.371,109.763 229.323,109.763 ; 225.196,162.23 226.905,162.23 228.371,160.763 229.323,160.763 ; 225.196,213.23 226.905,213.23 228.371,211.763 229.323,211.763 ; 225.196,264.23 226.905,264.23 228.371,262.763 229.323,262.763 ; 225.222,89.824 225.222,85.328 226.669,83.88 226.669,81.34 ; 225.222,140.824 225.222,136.328 226.669,134.88 226.669,132.34 ; 225.222,191.824 225.222,187.328 226.669,185.88 226.669,183.34 ; 225.222,242.824 225.222,238.328 226.669,236.88 226.669,234.34 ; 225.958,116.723 225.958,113.768 226.146,113.58 ; 225.958,167.723 225.958,164.768 226.146,164.58 ; 225.958,218.723 225.958,215.768 226.146,215.58 ; 225.958,269.723 225.958,266.768 226.146,266.58 ; 226.27,87.233 227.311,86.192 v1(228.016,86.192) ; 226.27,138.233 227.311,137.192 v1(228.016,137.192) ; 226.27,189.233 227.311,188.192 v1(228.016,188.192) ; 226.27,240.233 227.311,239.192 v1(228.016,239.192) ; v1(226.873,107.426) 226.873,89.341 230.886,85.328 235.382,85.328 236.829,83.88 236.829,81.34 ; v1(226.873,158.426) 226.873,140.341 230.886,136.328 235.382,136.328 236.829,134.88 236.829,132.34 ; v1(226.873,209.426) 226.873,191.341 230.886,187.328 235.382,187.328 236.829,185.88 236.829,183.34 ; v1(226.873,260.426) 226.873,242.341 230.886,238.328 235.382,238.328 236.829,236.88 236.829,234.34 ; v1(228.625,95.26) 228.625,99.356 229.685,100.416 231.318,100.416 231.423,100.521 231.423,102.013 ; v1(228.625,146.26) 228.625,150.356 229.685,151.416 231.318,151.416 231.423,151.521 231.423,153.013 ; v1(228.625,197.26) 228.625,201.356 229.685,202.416 231.318,202.416 231.423,202.521 231.423,204.013 ; v1(228.625,248.26) 228.625,252.356 229.685,253.416 231.318,253.416 231.423,253.521 231.423,255.013 ; 229.323,107.563 227.949,107.563 227.403,107.016 227.403,89.53 230.106,86.827 v1(235.077,86.827) ; 229.323,158.563 227.949,158.563 227.403,158.016 227.403,140.53 230.106,137.827 v1(235.077,137.827) ; 229.323,209.563 227.949,209.563 227.403,209.016 227.403,191.53 230.106,188.827 v1(235.077,188.827) ; 229.323,260.563 227.949,260.563 227.403,260.016 227.403,242.53 230.106,239.827 v1(235.077,239.827) ; v1(229.921,95.26) 230.914,95.26 ; v1(229.921,146.26) 230.914,146.26 ; v1(229.921,197.26) 230.914,197.26 ; v1(229.921,248.26) 230.914,248.26 ; 230.378,96.961 231.826,96.961 232.084,96.703 233.223,96.703 234.982,96.703 235.204,96.48 235.204,98.51 233.623,100.091 233.623,102.013 ; 230.378,147.961 231.826,147.961 232.084,147.703 233.223,147.703 234.982,147.703 235.204,147.48 235.204,149.51 233.623,151.091 233.623,153.013 ; 230.378,198.961 231.826,198.961 232.084,198.703 233.223,198.703 234.982,198.703 235.204,198.48 235.204,200.51 233.623,202.091 233.623,204.013 ; 230.378,249.961 231.826,249.961 232.084,249.703 233.223,249.703 234.982,249.703 235.204,249.48 235.204,251.51 233.623,253.091 233.623,255.013 ; 230.938,93.85 233.037,93.85 233.121,93.766 ; 230.938,144.85 233.037,144.85 233.121,144.766 ; 230.938,195.85 233.037,195.85 233.121,195.766 ; 230.938,246.85 233.037,246.85 233.121,246.766 ; 230.94,95.366 230.84,95.366 230.84,95.334 230.914,95.26 ; 230.94,146.366 230.84,146.366 230.84,146.334 230.914,146.26 ; 230.94,197.366 230.84,197.366 230.84,197.334 230.914,197.26 ; 230.94,248.366 230.84,248.366 230.84,248.334 230.914,248.26 ; v1(231.191,86.192) 235.61,86.192 236.702,87.284 236.702,99.247 238.023,100.568 238.023,102.013 ; v1(231.191,137.192) 235.61,137.192 236.702,138.284 236.702,150.247 238.023,151.568 238.023,153.013 ; v1(231.191,188.192) 235.61,188.192 236.702,189.284 236.702,201.247 238.023,202.568 238.023,204.013 ; v1(231.191,239.192) 235.61,239.192 236.702,240.284 236.702,252.247 238.023,253.568 238.023,255.013 ; 232.523,102.013 232.523,100.402 232.029,99.908 229.895,99.908 229.286,99.298 229.286,95.125 229.26,95.1 229.26,92.821 229.819,92.262 230.835,92.262 231.018,92.445 233.121,92.445 234.979,92.445 235.204,92.67 ; 232.523,153.013 232.523,151.402 232.029,150.908 229.895,150.908 229.286,150.298 229.286,146.125 229.26,146.1 229.26,143.821 229.819,143.262 230.835,143.262 231.018,143.445 233.121,143.445 234.979,143.445 235.204,143.67 ; 232.523,204.013 232.523,202.402 232.029,201.908 229.895,201.908 229.286,201.298 229.286,197.125 229.26,197.1 229.26,194.821 229.819,194.262 230.835,194.262 231.018,194.445 233.121,194.445 234.979,194.445 235.204,194.67 ; 232.523,255.013 232.523,253.402 232.029,252.908 229.895,252.908 229.286,252.298 229.286,248.125 229.26,248.1 229.26,245.821 229.819,245.262 230.835,245.262 231.018,245.445 233.121,245.445 234.979,245.445 235.204,245.67 ; 233.623,117.513 233.623,119.054 234.035,119.466 v1(242.392,119.466) ; 233.623,168.513 233.623,170.054 234.035,170.466 v1(242.392,170.466) ; 233.623,219.513 233.623,221.054 234.035,221.466 v1(242.392,221.466) ; 233.623,270.513 233.623,272.054 234.035,272.466 v1(242.392,272.466) ; 235.204,95.21 235.049,95.366 233.121,95.366 231.072,95.366 230.94,95.234 230.914,95.26 ; 235.204,146.21 235.049,146.366 233.121,146.366 231.072,146.366 230.94,146.234 230.914,146.26 ; 235.204,197.21 235.049,197.366 233.121,197.366 231.072,197.366 230.94,197.234 230.914,197.26 ; 235.204,248.21 235.049,248.366 233.121,248.366 231.072,248.366 230.94,248.234 230.914,248.26 ; v1(236.728,86.166) 249.428,86.166 251.866,88.605 251.866,90.51 ; v1(236.728,137.166) 249.428,137.166 251.866,139.605 251.866,141.51 ; v1(236.728,188.166) 249.428,188.166 251.866,190.605 251.866,192.51 ; v1(236.728,239.166) 249.428,239.166 251.866,241.605 251.866,243.51 ; v1(248.513,114.843) 248.513,113.751 249.352,112.913 255.168,112.913 ; v1(248.513,165.843) 248.513,164.751 249.352,163.913 255.168,163.913 ; v1(248.513,216.843) 248.513,215.751 249.352,214.913 255.168,214.913 ; v1(248.513,267.843) 248.513,266.751 249.352,265.913 255.168,265.913 ; 250.996,93.024 250.996,95.394 251.041,95.439 ; 250.996,144.024 250.996,146.394 251.041,146.439 ; 250.996,195.024 250.996,197.394 251.041,197.439 ; 250.996,246.024 250.996,248.394 251.041,248.439 ; 253.25,90.508 253.346,90.604 253.346,92.074 ; 253.25,141.508 253.346,141.604 253.346,143.074 ; 253.25,192.508 253.346,192.604 253.346,194.074 ; 253.25,243.508 253.346,243.604 253.346,245.074

## Text inside footprints (layer, text, board x,y; h text height)
U2: Mechanical 5 "94" at 197.723,161.583 h0.1 r270; Mechanical 5 "92" at 199.523,161.583 h0.1 r270; Mechanical 5 "90" at 201.323,161.583 h0.1 r270; Mechanical 5 "93" at 197.723,159.783 h0.1 r270; Mechanical 5 "91" at 199.523,159.783 h0.1 r270; Mechanical 5 "89" at 201.323,159.783 h0.1 r270; Mechanical 5 "79" at 196.523,157.483 h0.1 r270; Mechanical 5 "82" at 196.523,163.883 h0.1 r270; Mechanical 5 "109" at 195.373,161.843 h0.1 r270; Mechanical 5 "81" at 195.323,163.883 h0.1 r270; Mechanical 5 "83" at 197.723,163.883 h0.1 r270; Mechanical 5 "84" at 198.923,163.883 h0.1 r270; Mechanical 5 "85" at 200.123,163.883 h0.1 r270; Mechanical 5 "86" at 201.323,163.883 h0.1 r270; Mechanical 5 "87" at 202.523,163.883 h0.1 r270; Mechanical 5 "108" at 195.373,160.643 h0.1 r270; Mechanical 5 "107" at 195.373,159.443 h0.1 r270; Mechanical 5 "80" at 195.323,157.483 h0.1 r270; Mechanical 5 "78" at 197.723,157.483 h0.1 r270; Mechanical 5 "77" at 198.923,157.483 h0.1 r270; Mechanical 5 "76" at 200.123,157.483 h0.1 r270; Mechanical 5 "75" at 201.323,157.483 h0.1 r270; Mechanical 5 "74" at 202.523,157.483 h0.1 r270; Mechanical 5 "88" at 203.723,163.883 h0.1 r270; Mechanical 5 "73" at 203.723,157.483 h0.1 r270; Mechanical 5 "61" at 197.123,165.683 h0.1 r270; Mechanical 5 "59" at 194.723,165.683 h0.1 r270; Mechanical 5 "60" at 195.923,165.683 h0.1 r270; Mechanical 5 "102" at 193.573,164.243 h0.1 r270; Mechanical 5 "58" at 193.573,163.083 h0.1 r270; Mechanical 5 "57" at 193.573,161.883 h0.1 r270; Mechanical 5 "56" at 193.573,160.683 h0.1 r270; Mechanical 5 "55" at 193.573,159.483 h0.1 r270; Mechanical 5 "54" at 193.573,158.283 h0.1 r270; Mechanical 5 "101" at 193.573,157.043 h0.1 r270; Mechanical 5 "105" at 205.473,164.243 h0.1 r270; Mechanical 5 "68" at 205.473,163.083 h0.1 r270; Mechanical 5 "69" at 205.473,161.883 h0.1 r270; Mechanical 5 "106" at 205.473,157.043 h0.1 r270; Mechanical 5 "103" at 193.523,165.643 h0.1 r270; Mechanical 5 "62" at 198.323,165.683 h0.1 r270; Mechanical 5 "63" at 199.523,165.683 h0.1 r270; Mechanical 5 "64" at 200.723,165.683 h0.1 r270; Mechanical 5 "65" at 201.923,165.683 h0.1 r270; Mechanical 5 "104" at 205.523,165.643 h0.1 r270; Mechanical 5 "100" at 193.523,155.643 h0.1 r270; Mechanical 5 "53" at 194.723,155.683 h0.1 r270; Mechanical 5 "52" at 195.923,155.683 h0.1 r270; Mechanical 5 "51" at 197.123,155.683 h0.1 r270; Mechanical 5 "50" at 198.323,155.683 h0.1 r270; Mechanical 5 "49" at 199.523,155.683 h0.1 r270; Mechanical 5 "99" at 205.523,155.683 h0.1 r270; Mechanical 5 "66" at 203.123,165.683 h0.1 r270; Mechanical 5 "67" at 204.323,165.683 h0.1 r270; Mechanical 5 "45" at 204.323,155.683 h0.1 r270; Mechanical 5 "70" at 205.473,160.683 h0.1 r270; Mechanical 5 "71" at 205.473,159.483 h0.1 r270; Mechanical 5 "72" at 205.473,158.283 h0.1 r270; Mechanical 5 "48" at 200.723,155.683 h0.1 r270; Mechanical 5 "47" at 201.923,155.683 h0.1 r270; Mechanical 5 "46" at 203.123,155.683 h0.1 r270; Mechanical 5 "24" at 194.023,168.433 h0.1 r270; Mechanical 5 "42" at 208.223,158.483 h0.1 r270; Mechanical 5 "43" at 208.223,157.383 h0.1 r270; Mechanical 5 "14" at 190.823,156.283 h0.1 r270; Mechanical 5 "12" at 194.023,152.933 h0.1 r270; Mechanical 5 "11" at 195.123,152.933 h0.1 r270; Mechanical 5 "13" at 192.923,152.933 h0.1 r270; Mechanical 5 "25" at 195.123,168.433 h0.1 r270; Mechanical 5 "15" at 190.823,157.383 h0.1 r270; Mechanical 5 "97" at 208.223,166.183 h0.1 r270; Mechanical 5 "44" at 208.223,156.283 h0.1 r270; Mechanical 5 "26" at 196.223,168.433 h0.1 r270; Mechanical 5 "9" at 197.323,152.973 h0.1 r270; Mechanical 5 "8" at 198.423,152.973 h0.1 r270; Mechanical 5 "6" at 200.623,152.973 h0.1 r270; Mechanical 5 "5" at 201.723,152.973 h0.1 r270; Mechanical 5 "4" at 202.823,152.973 h0.1 r270; Mechanical 5 "96" at 190.823,166.183 h0.1 r270; Mechanical 5 "95" at 190.823,155.183 h0.1 r270; Mechanical 5 "3" at 203.923,152.973 h0.1 r270; Mechanical 5 "7" at 199.523,152.973 h0.1 r270; Mechanical 5 "31" at 201.723,168.433 h0.1 r270; Mechanical 5 "33" at 203.923,168.433 h0.1 r270; Mechanical 5 "32" at 202.823,168.433 h0.1 r270; Mechanical 5 "30" at 200.623,168.433 h0.1 r270; Mechanical 5 "16" at 190.823,158.483 h0.1 r270; Mechanical 5 "18" at 190.823,160.683 h0.1 r270; Mechanical 5 "17" at 190.823,159.583 h0.1 r270; Mechanical 5 "23" at 192.923,168.433 h0.1 r270; Mechanical 5 "20" at 190.823,162.883 h0.1 r270; Mechanical 5 "19" at 190.823,161.783 h0.1 r270; Mechanical 5 "21" at 190.823,163.983 h0.1 r270; Mechanical 5 "22" at 190.823,165.083 h0.1 r270; Mechanical 5 "36" at 208.223,165.083 h0.1 r270; Mechanical 5 "37" at 208.223,163.983 h0.1 r270; Mechanical 5 "40" at 208.223,160.683 h0.1 r270; Mechanical 5 "41" at 208.223,159.583 h0.1 r270; Mechanical 5 "27" at 197.323,168.433 h0.1 r270; Mechanical 5 "34" at 205.023,168.433 h0.1 r270; Mechanical 5 "10" at 196.223,152.933 h0.1 r270; Mechanical 5 "1" at 206.123,152.973 h0.1 r270; Mechanical 5 "39" at 208.223,161.783 h0.1 r270; Mechanical 5 "38" at 208.223,162.883 h0.1 r270; Mechanical 5 "29" at 199.523,168.433 h0.1 r270; Mechanical 5 "28" at 198.423,168.433 h0.1 r270; Mechanical 5 "98" at 208.223,155.183 h0.1 r270; Mechanical 5 "35" at 206.123,168.433 h0.1 r270; Mechanical 5 "2" at 205.023,152.973 h0.1 r270
U2: Mechanical 5 "94" at 197.723,110.583 h0.1 r270; Mechanical 5 "92" at 199.523,110.583 h0.1 r270; Mechanical 5 "90" at 201.323,110.583 h0.1 r270; Mechanical 5 "93" at 197.723,108.783 h0.1 r270; Mechanical 5 "91" at 199.523,108.783 h0.1 r270; Mechanical 5 "89" at 201.323,108.783 h0.1 r270; Mechanical 5 "79" at 196.523,106.483 h0.1 r270; Mechanical 5 "82" at 196.523,112.883 h0.1 r270; Mechanical 5 "109" at 195.373,110.843 h0.1 r270; Mechanical 5 "81" at 195.323,112.883 h0.1 r270; Mechanical 5 "83" at 197.723,112.883 h0.1 r270; Mechanical 5 "84" at 198.923,112.883 h0.1 r270; Mechanical 5 "85" at 200.123,112.883 h0.1 r270; Mechanical 5 "86" at 201.323,112.883 h0.1 r270; Mechanical 5 "87" at 202.523,112.883 h0.1 r270; Mechanical 5 "108" at 195.373,109.643 h0.1 r270; Mechanical 5 "107" at 195.373,108.443 h0.1 r270; Mechanical 5 "80" at 195.323,106.483 h0.1 r270; Mechanical 5 "78" at 197.723,106.483 h0.1 r270; Mechanical 5 "77" at 198.923,106.483 h0.1 r270; Mechanical 5 "76" at 200.123,106.483 h0.1 r270; Mechanical 5 "75" at 201.323,106.483 h0.1 r270; Mechanical 5 "74" at 202.523,106.483 h0.1 r270; Mechanical 5 "88" at 203.723,112.883 h0.1 r270; Mechanical 5 "73" at 203.723,106.483 h0.1 r270; Mechanical 5 "61" at 197.123,114.683 h0.1 r270; Mechanical 5 "59" at 194.723,114.683 h0.1 r270; Mechanical 5 "60" at 195.923,114.683 h0.1 r270; Mechanical 5 "102" at 193.573,113.243 h0.1 r270; Mechanical 5 "58" at 193.573,112.083 h0.1 r270; Mechanical 5 "57" at 193.573,110.883 h0.1 r270; Mechanical 5 "56" at 193.573,109.683 h0.1 r270; Mechanical 5 "55" at 193.573,108.483 h0.1 r270; Mechanical 5 "54" at 193.573,107.283 h0.1 r270; Mechanical 5 "101" at 193.573,106.043 h0.1 r270; Mechanical 5 "105" at 205.473,113.243 h0.1 r270; Mechanical 5 "68" at 205.473,112.083 h0.1 r270; Mechanical 5 "69" at 205.473,110.883 h0.1 r270; Mechanical 5 "106" at 205.473,106.043 h0.1 r270; Mechanical 5 "103" at 193.523,114.643 h0.1 r270; Mechanical 5 "62" at 198.323,114.683 h0.1 r270; Mechanical 5 "63" at 199.523,114.683 h0.1 r270; Mechanical 5 "64" at 200.723,114.683 h0.1 r270; Mechanical 5 "65" at 201.923,114.683 h0.1 r270; Mechanical 5 "104" at 205.523,114.643 h0.1 r270; Mechanical 5 "100" at 193.523,104.643 h0.1 r270; Mechanical 5 "53" at 194.723,104.683 h0.1 r270; Mechanical 5 "52" at 195.923,104.683 h0.1 r270; Mechanical 5 "51" at 197.123,104.683 h0.1 r270; Mechanical 5 "50" at 198.323,104.683 h0.1 r270; Mechanical 5 "49" at 199.523,104.683 h0.1 r270; Mechanical 5 "99" at 205.523,104.683 h0.1 r270; Mechanical 5 "66" at 203.123,114.683 h0.1 r270; Mechanical 5 "67" at 204.323,114.683 h0.1 r270; Mechanical 5 "45" at 204.323,104.683 h0.1 r270; Mechanical 5 "70" at 205.473,109.683 h0.1 r270; Mechanical 5 "71" at 205.473,108.483 h0.1 r270; Mechanical 5 "72" at 205.473,107.283 h0.1 r270; Mechanical 5 "48" at 200.723,104.683 h0.1 r270; Mechanical 5 "47" at 201.923,104.683 h0.1 r270; Mechanical 5 "46" at 203.123,104.683 h0.1 r270; Mechanical 5 "24" at 194.023,117.433 h0.1 r270; Mechanical 5 "42" at 208.223,107.483 h0.1 r270; Mechanical 5 "43" at 208.223,106.383 h0.1 r270; Mechanical 5 "14" at 190.823,105.283 h0.1 r270; Mechanical 5 "12" at 194.023,101.933 h0.1 r270; Mechanical 5 "11" at 195.123,101.933 h0.1 r270; Mechanical 5 "13" at 192.923,101.933 h0.1 r270; Mechanical 5 "25" at 195.123,117.433 h0.1 r270; Mechanical 5 "15" at 190.823,106.383 h0.1 r270; Mechanical 5 "97" at 208.223,115.183 h0.1 r270; Mechanical 5 "44" at 208.223,105.283 h0.1 r270; Mechanical 5 "26" at 196.223,117.433 h0.1 r270; Mechanical 5 "9" at 197.323,101.973 h0.1 r270; Mechanical 5 "8" at 198.423,101.973 h0.1 r270; Mechanical 5 "6" at 200.623,101.973 h0.1 r270; Mechanical 5 "5" at 201.723,101.973 h0.1 r270; Mechanical 5 "4" at 202.823,101.973 h0.1 r270; Mechanical 5 "96" at 190.823,115.183 h0.1 r270; Mechanical 5 "95" at 190.823,104.183 h0.1 r270; Mechanical 5 "3" at 203.923,101.973 h0.1 r270; Mechanical 5 "7" at 199.523,101.973 h0.1 r270; Mechanical 5 "31" at 201.723,117.433 h0.1 r270; Mechanical 5 "33" at 203.923,117.433 h0.1 r270; Mechanical 5 "32" at 202.823,117.433 h0.1 r270; Mechanical 5 "30" at 200.623,117.433 h0.1 r270; Mechanical 5 "16" at 190.823,107.483 h0.1 r270; Mechanical 5 "18" at 190.823,109.683 h0.1 r270; Mechanical 5 "17" at 190.823,108.583 h0.1 r270; Mechanical 5 "23" at 192.923,117.433 h0.1 r270; Mechanical 5 "20" at 190.823,111.883 h0.1 r270; Mechanical 5 "19" at 190.823,110.783 h0.1 r270; Mechanical 5 "21" at 190.823,112.983 h0.1 r270; Mechanical 5 "22" at 190.823,114.083 h0.1 r270; Mechanical 5 "36" at 208.223,114.083 h0.1 r270; Mechanical 5 "37" at 208.223,112.983 h0.1 r270; Mechanical 5 "40" at 208.223,109.683 h0.1 r270; Mechanical 5 "41" at 208.223,108.583 h0.1 r270; Mechanical 5 "27" at 197.323,117.433 h0.1 r270; Mechanical 5 "34" at 205.023,117.433 h0.1 r270; Mechanical 5 "10" at 196.223,101.933 h0.1 r270; Mechanical 5 "1" at 206.123,101.973 h0.1 r270; Mechanical 5 "39" at 208.223,110.783 h0.1 r270; Mechanical 5 "38" at 208.223,111.883 h0.1 r270; Mechanical 5 "29" at 199.523,117.433 h0.1 r270; Mechanical 5 "28" at 198.423,117.433 h0.1 r270; Mechanical 5 "98" at 208.223,104.183 h0.1 r270; Mechanical 5 "35" at 206.123,117.433 h0.1 r270; Mechanical 5 "2" at 205.023,101.973 h0.1 r270